# KiCad board Env-F12TKL.kicad_pcb (continued)
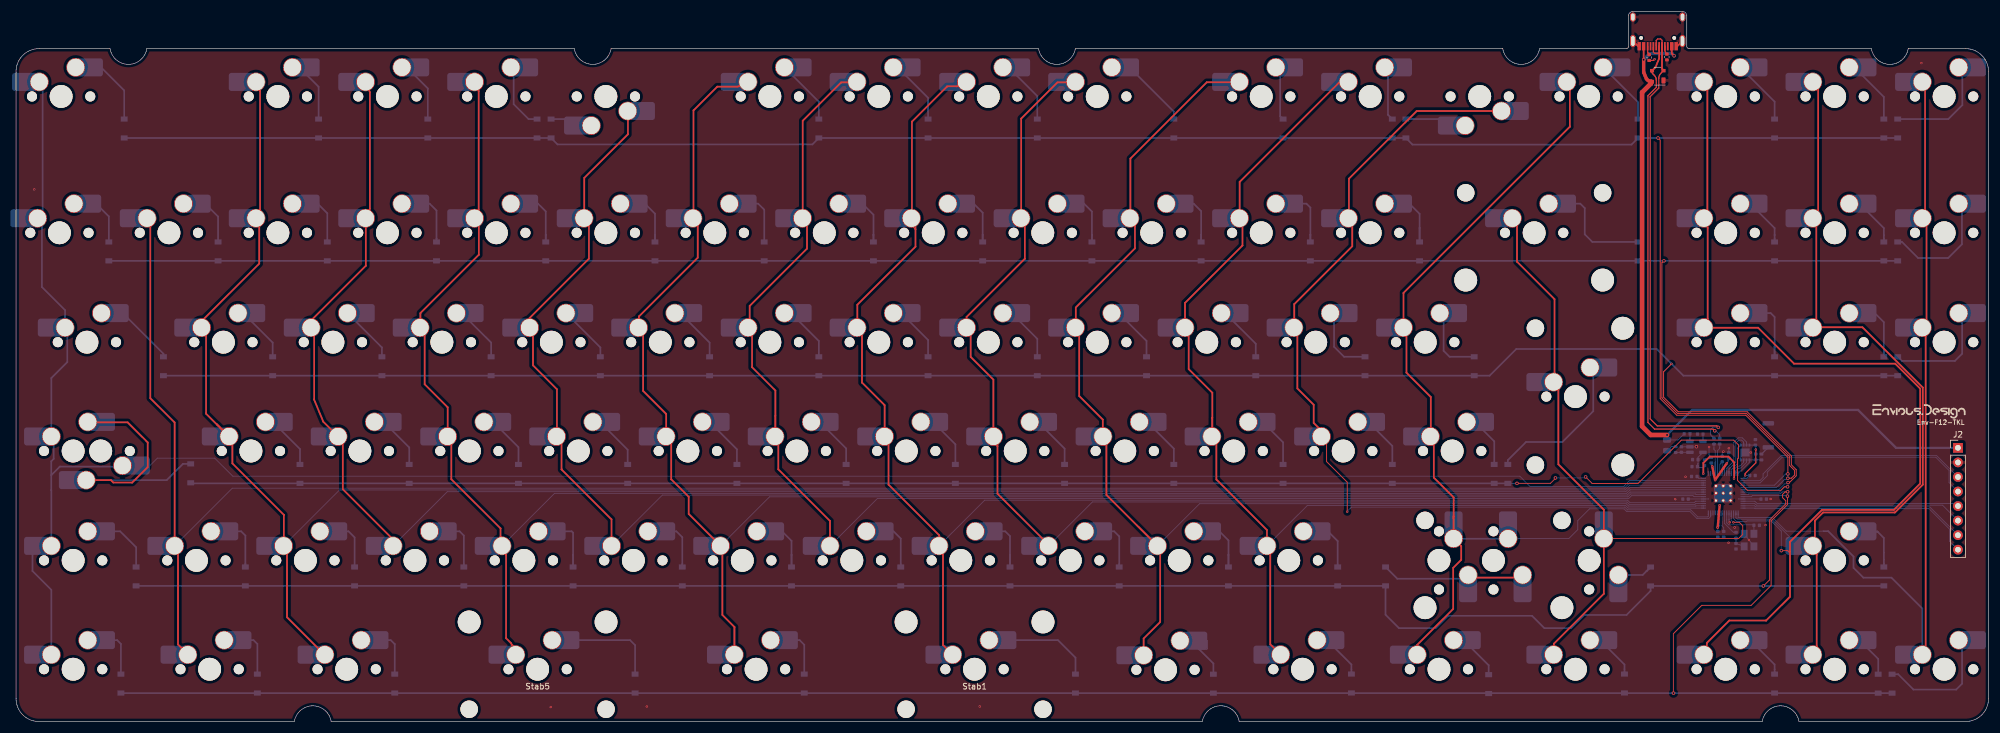
[diagram p0: board, top side]
## Routing (per net, layer and track width the routed paths; a pad name or vN(x,y) marks a point on that pad's centre or on a via; arc(x,y) is an arc through that point) (continued)
Net-(D_50-Pad2): length 20.6
  Bottom w0.15: K_50.2 338.8,70.1 339.4,69.5
  Bottom w0.3: 339.4,70.69 339.4,64.22 338.13,62.96 328.88,62.96 D_50.2
Net-(D_51-Pad2): length 47.7
  Top w0.15: 12.57,52.24 K_52.2
  Top w0.3: 12.57,52.24 19.45,52.24 22.96,48.73 22.96,44.43 20.26,41.73 16.96,41.73 16.54,42.15 K_51.2
  Bottom w0.3: K_51.2 26.28,42.15 29.11,44.98 D_51.2
Net-(D_52-Pad2): length 15.2
  Bottom w0.15: 206.34,12.61 207.66,12.61 207.77,12.72 207.77,14.11 K_91.2
  Bottom w0.3: 204.83,14.12 208.81,10.13 D_52.2
Net-(D_53-Pad2): length 10.7
  Bottom w0.3: D_53.2 49.52,47.58 44.78,52.31 K_53.2
Net-(D_54-Pad2): length 10.9
  Bottom w0.3: D_54.2 68.57,47.85 64.1,52.31 K_54.2
Net-(D_55-Pad2): length 10.9
  Bottom w0.3: K_55.2 83.2,52.31 87.62,47.9 D_55.2
Net-(D_56-Pad2): length 10.6
  Bottom w0.3: K_56.2 101.8,52.31 106.67,47.45 D_56.2
Net-(D_57-Pad2): length 10.6
  Bottom w0.3: D_57.2 125.72,47.53 120.93,52.31 K_57.2
Net-(D_58-Pad2): length 10.8
  Bottom w0.3: D_58.2 144.77,47.68 140.13,52.31 K_58.2
Net-(D_59-Pad2): length 11.2
  Bottom w0.3: D_59.2 163.82,48.4 159.9,52.31 K_59.2
Net-(D_60-Pad2): length 10.8
  Bottom w0.3: K_60.2 178.2,52.31 182.87,47.65 D_60.2
Net-(D_61-Pad2): length 10.7
  Bottom w0.3: D_61.2 201.92,47.65 197.25,52.31 K_61.2
Net-(D_62-Pad2): length 11.4
  Bottom w0.3: D_62.2 220.97,48.75 217.4,52.31 K_62.2
Net-(D_63-Pad2): length 11
  Bottom w0.3: K_63.2 235.83,52.31 240.02,48.13 D_63.2
Net-(D_64-Pad2): length 10.2
  Bottom w0.3: K_64.2 254.4,52.31 257.79,48.93 D_64.2
Net-(D_65-Pad2): length 13
  Bottom w0.3: D_65.2 20.94,30.43 18.15,33.21 K_65.2
Net-(D_66-Pad2): length 12.8
  Bottom w0.15: 35.8,33.21 K_66.2 ; 39.99,27.49 D_66.2
  Bottom w0.3: 39.99,27.49 39.99,32.48 39.25,33.21 35.8,33.21 ; 39.99,27.49 D_66.2 39.99,27.49
Net-(D_67-Pad2): length 11.6
  Bottom w0.15: 54.8,33.21 K_67.2
  Bottom w0.3: 54.8,33.21 57.98,33.21 59.04,32.15 D_67.2
Net-(D_68-Pad2): length 12.3
  Bottom w0.15: D_68.2 78.09,27.49 ; 73.9,33.21 K_68.2
  Bottom w0.3: 78.09,27 78.09,32.48 77.35,33.21 73.9,33.21 ; 78.09,27 D_68.2 78.09,27
Net-(D_69-Pad2): length 14.3
  Bottom w0.15: K_69.2 92.9,33.21
  Bottom w0.3: 97.14,29.1 97.14,29.1 D_69.2 ; 97.14,29.1 97.14,32.98 96.9,33.21 92.9,33.21 ; 97.14,29.1 97.14,26.98
Net-(D_70-Pad2): length 12.1
  Bottom w0.15: K_70.2 112,33.21 ; D_70.2 116.19,27.49
  Bottom w0.3: 116.19,27 D_70.2 116.19,27 ; 116.19,27 116.19,32.18 115.15,33.21 112,33.21
Net-(D_71-Pad2): length 13.4
  Bottom w0.15: 131,33.21 K_71.2
  Bottom w0.3: 131,33.21 133.58,33.21 135.24,31.55 135.24,29.1 ; 135.24,29.1 135.24,29.1 D_71.2 ; 135.24,29.1 135.24,26.98
Net-(D_72-Pad2): length 12
  Bottom w0.15: 154.29,27.49 D_72.2 ; K_72.2 150.1,33.21
  Bottom w0.3: 154.29,27 D_72.2 154.29,27 ; 154.29,27 154.29,31.95 153.03,33.21 150.1,33.21
Net-(D_73-Pad2): length 13.9
  Bottom w0.15: 169.1,33.21 K_73.2
  Bottom w0.3: 173.34,26.98 173.34,29.1 ; 173.34,29.1 173.34,32.38 172.5,33.21 169.1,33.21 ; 173.34,29.1 173.34,29.1 D_73.2
Net-(D_74-Pad2): length 12.2
  Bottom w0.15: D_74.2 192.39,27.49 ; K_74.2 188.2,33.21
  Bottom w0.3: 188.2,33.21 191.5,33.21 192.39,32.33 192.39,27 ; 192.39,27 D_74.2 192.39,27
Net-(D_75-Pad2): length 13.5
  Bottom w0.15: K_75.2 207.2,33.21
  Bottom w0.3: 211.44,26.98 211.44,29.1 ; 211.44,29.1 211.44,29.1 D_75.2 ; 211.44,29.1 211.44,31.63 209.85,33.21 207.2,33.21
Net-(D_76-Pad2): length 11.7
  Bottom w0.15: D_76.2 230.49,27.49 ; K_76.2 226.3,33.21
  Bottom w0.3: 226.3,33.21 228.78,33.21 230.49,31.5 230.49,27 ; 230.49,27 D_76.2 230.49,27
Net-(D_77-Pad2): length 25.4
  Top w0.15: 253.72,25.13 253.7,25.13 K_89.2 ; 262.28,25.13 K_77.2
  Top w0.3: 253.72,25.13 262.33,25.13
  Bottom w0.15: 253.26,25.55 253.26,25.58 K_89.2
  Bottom w0.3: D_77.2 240.89,24.93 251.76,24.93 252.62,25.29 253.26,25.55 253.26,25.55
Net-(D_78-Pad2): length 17.2
  Bottom w0.15: 319.76,33.19 319.73,33.21 K_78.2 ; 325.74,29.52 325.74,26.98 ; 321.52,33.19 321.5,33.21
  Bottom w0.3: 324.66,33.13 325.74,32.05 325.74,26.99 ; 324.66,33.13 324.6,33.19 319.76,33.19 ; 324.66,33.13 321.61,33.13 ; 325.74,26.98 325.74,26.99 ; 325.74,26.99 D_78.2
Net-(D_79-Pad2): length 11.4
  Bottom w0.15: K_79.2 14.3,14.21
  Bottom w0.3: 14.42,14.17 14.34,14.17 14.3,14.21 ; 14.42,14.17 14.45,14.21 17.63,14.21 18.28,13.56 D_79.2 ; 14.42,14.17 14.38,14.14
Net-(D_80-Pad2): length 11.3
  Bottom w0.3: D_80.2 42.08,13.54 41.41,14.21 K_80.2
Net-(D_81-Pad2): length 11.4
  Bottom w0.15: 62,14.21 K_81.2
  Bottom w0.3: D_81.2 66.04,13.53 66.02,13.53 65.34,14.21 62,14.21
Net-(D_82-Pad2): length 11.3
  Bottom w0.15: 133.4,14.21 K_82.2
  Bottom w0.3: D_82.2 137.46,13.41 136.65,14.21 133.4,14.21
Net-(D_83-Pad2): length 10.3
  Bottom w0.15: 228.7,14.14 228.7,14.21 K_83.2 ; D_83.2 232.88,9.12
  Bottom w0.3: 232.88,8.31 232.88,9.95 228.7,14.14 ; 232.88,8.31 D_83.2 232.88,8.31
Net-(D_84-Pad2): length 9.6
  Bottom w0.15: 252.51,14.14 252.5,14.15 252.5,14.21 K_84.2
  Bottom w0.3: 252.51,14.14 256.82,9.83 D_84.2
Net-(D_85-Pad2): length 10.3
  Bottom w0.15: K_85.2 276.3,14.21 276.3,14.16 276.32,14.14 ; D_85.2 280.51,9.12
  Bottom w0.3: 280.51,8.3 280.51,9.95 276.32,14.14 ; 280.51,8.3 D_85.2 280.51,8.3
Net-(D_86-Pad2): length 10.3
  Bottom w0.15: 302.51,14.14 302.5,14.14 302.5,14.21 K_86.2 ; D_86.2 306.69,9.12
  Bottom w0.3: 306.69,8.3 D_86.2 306.69,8.3 ; 306.69,8.3 306.69,9.95 302.51,14.14
Net-(D_87-Pad2): length 9.1
  Bottom w0.15: 321.56,14.14 321.5,14.19 321.5,14.21 K_87.2
  Bottom w0.3: 321.56,14.14 324.76,10.93 324.76,8.26
Net-(D_88-Pad2): length 21.7
  Bottom w0.15: K_88.2 339.13,13.88 339.38,13.88 339.38,13.56
  Bottom w0.3: 339.38,13.56 339.38,6.61 338.36,5.58 330.91,5.58 328.23,8.26 327.18,8.26
Net-(D_89-Pad2): length 25.5
  Bottom w0.15: 174.29,13.01 172.7,13.01 171.5,14.21 K_92.2
  Bottom w0.3: 171.55,14.15 174.29,13.01 ; 171.5,14.21 181.7,14.21 184.76,11.16 D_89.2
Net-(D_90-Pad2): length 7.2
  Bottom w0.3: 284.37,26.28 D_90.2 284.37,26.28 ; 284.37,26.28 283.68,25.59 K_90.2
Net-(F1-Pad1): length 1.8
  Bottom w0.15: FB1.1 288.64,47.99 F1.1
Net-(R6-Pad2): length 7.3
  Bottom w0.15: R6.2 297.11,47.87 297.11,47.87 297.11,47.68 296.74,47.31 296.74,45.3 ; 296.74,45.3 U2.47 296.74,45.3
Net-(R7-Pad2): length 7.2
  Bottom w0.15: 296.34,45.29 U2.46 296.34,45.29 ; 296.34,45.29 296.34,47.28 296.11,47.51 296.11,47.74 R7.2
Net-(R_USB1-Pad2): length 1.7
  Top w0.15: R_USB1.2 284.81,116.53 284.61,116.73
  Top w0.2: 284.68,116.57 284.55,116.89 USB1.10
Net-(R_USB2-Pad2): length 1.5
  Top w0.2: R_USB2.2 287.73,116.71 287.55,117.15 USB1.4

## Copper pours and planes (outline as drawn; the poured copper is in the pictures)
+1V1 on Bottom: 295.79,41.61 299.49,41.61 299.49,38.11 296.76,38.11 296.76,37.43 297.44,37.43 297.44,37.71 299.94,37.71 299.94,42.08 296.94,42.08 296.94,42.71 296.09,42.71 296.09,43.78 295.79,43.78
+3V3 on Bottom: 293.71,45.1 293.71,42.32 294.88,42.32 294.88,37.01 297.38,37.01 297.39,35.93 297.68,35.93 297.69,37.01 300.59,37.01 300.58,42.31 301.68,42.31 301.68,42.66 297.63,42.66 297.63,43.81 297.03,43.81 297.03,42.08 299.94,42.08 299.94,37.71 297.44,37.71 297.44,37.43 296.76,37.43 296.76,38.11 295.99,38.11 295.99,41.3 295.64,41.3 295.64,44.01 295.57,44.01 295.57,45.1
GND on Top, Bottom: 344.05,-0.05 -0.05,-0.05 -0.05,124.02 344.05,124.02
GND on Bottom: 311.36,28.33 284.46,28.36 284.46,56.13 311.36,56.13

## Text on the board
F.Silkscreen: Env-F12-TKL
